# Altium PCB STguitar.PcbDoc (part 1 of 3) (continued)
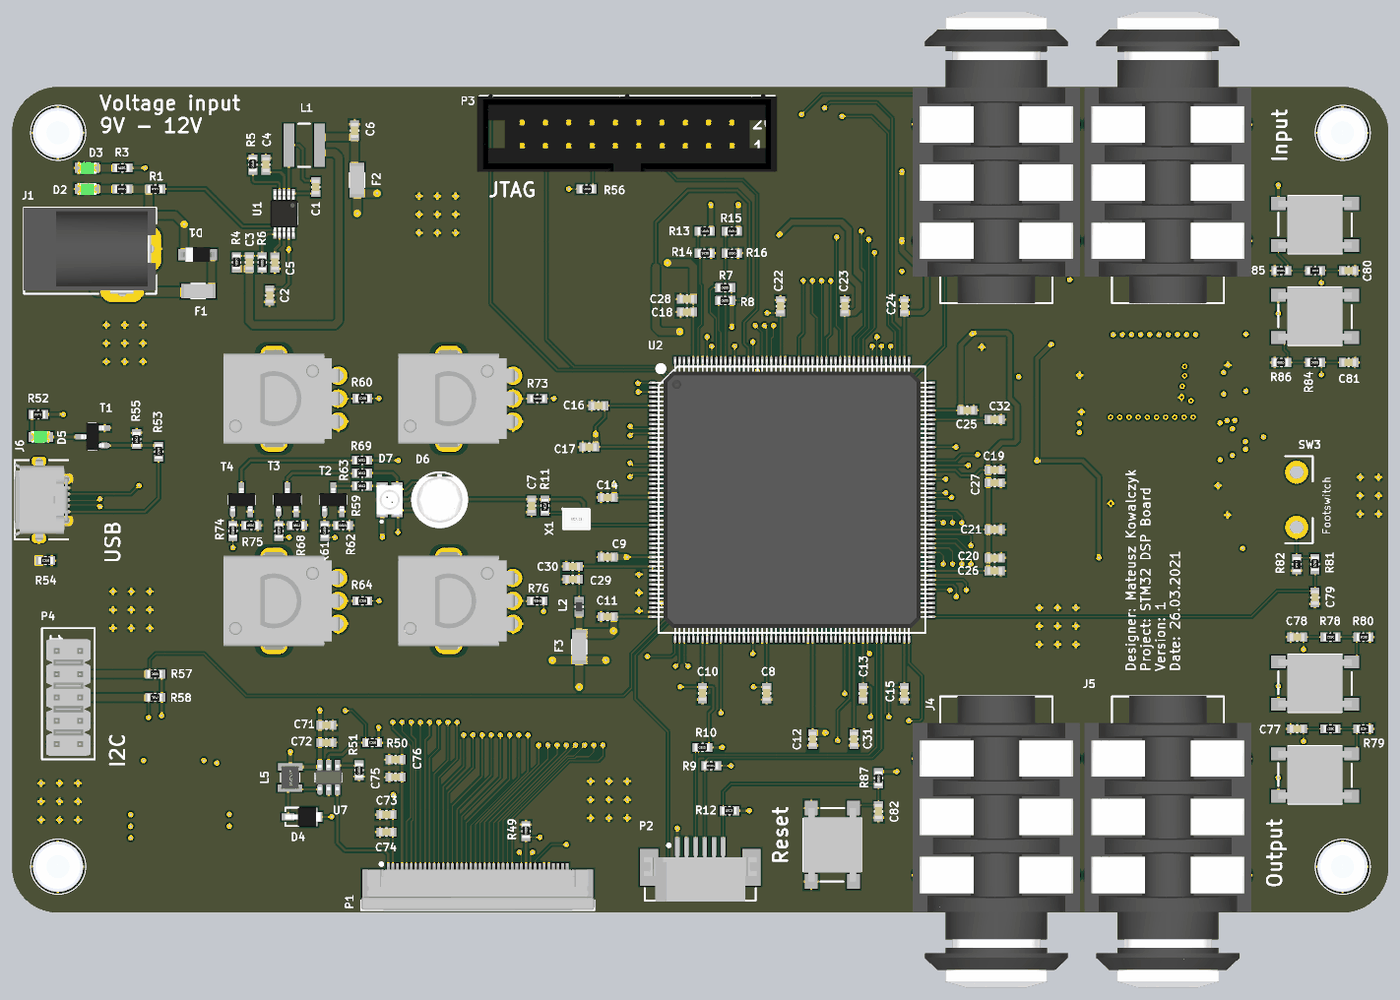
[diagram p6: 3D render of the assembled board from above, using the file's embedded part models]
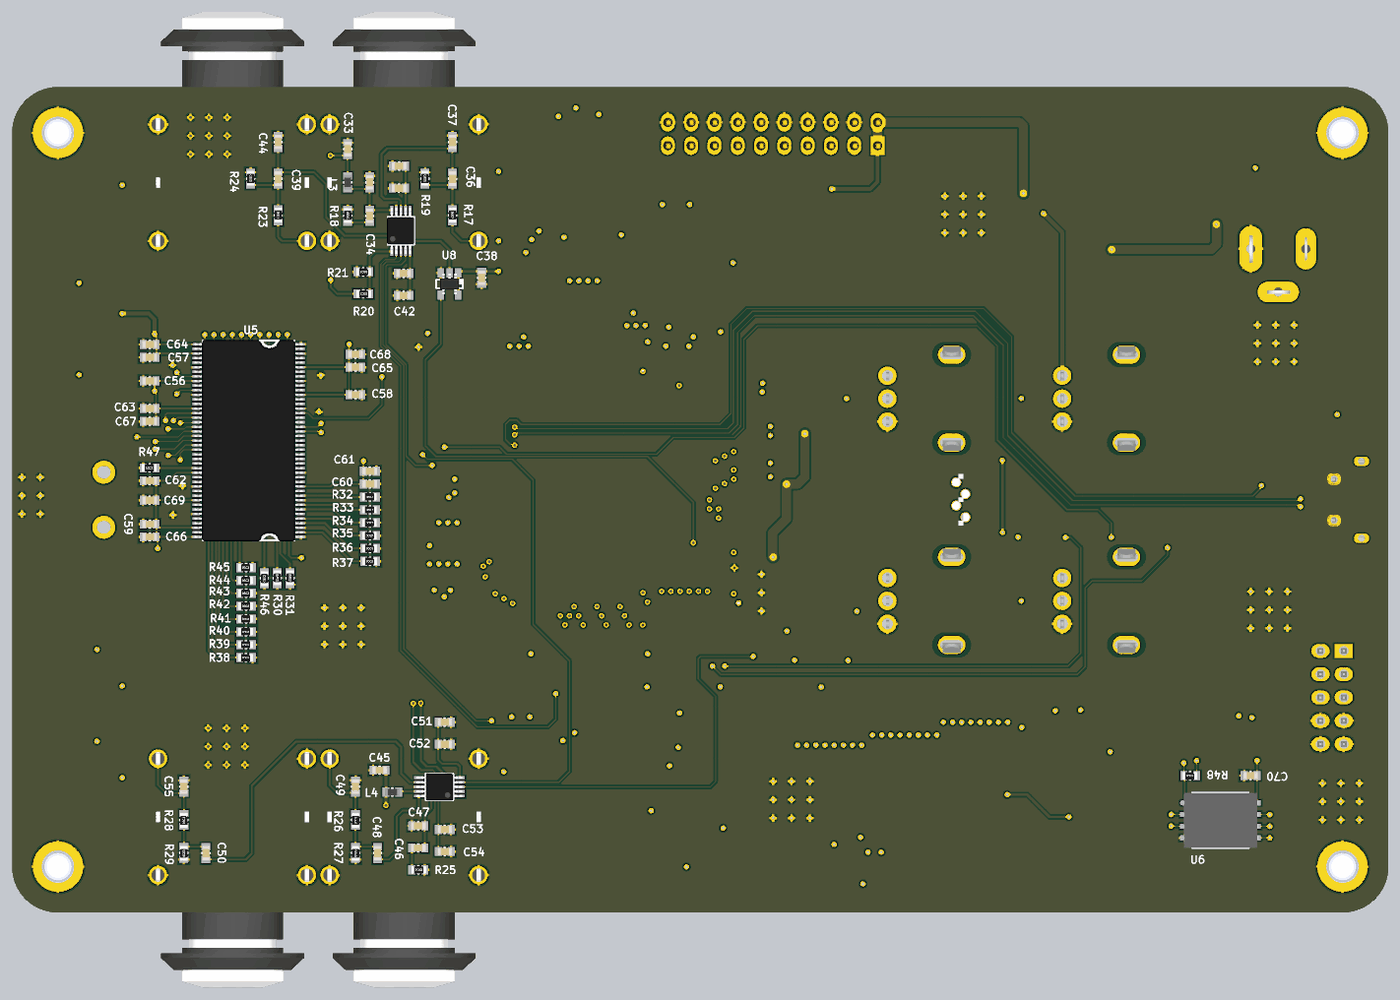
[diagram p7: 3D render of the assembled board from below, using the file's embedded part models]

## Layer stack, top to bottom
Top Solder: solder mask 0.01, Solder Resist, Dk 3.5
Top Layer: signal copper 0.036
Dielectric 2: prepreg 0.071, PP-006, Dk 4.1
Signal 1: signal copper 0.035
Dielectric 4: prepreg 0.071, PP-006, Dk 4.1
Dielectric 1: dielectric 0.32, FR-4, Dk 4.8
Dielectric 5: prepreg 0.071, PP-006, Dk 4.1
Signal 2: signal copper 0.035
Dielectric 3: prepreg 0.071, PP-006, Dk 4.1
Bottom Layer: signal copper 0.036
Bottom Solder: solder mask 0.01, Solder Resist, Dk 3.5

## Board outline
0,5 0,85 cw(c5,85) 5,90 145,90 cw(c145,85) 150,85 150,5 cw(c145,5) 145,0 5,0 cw(c5,5)

## Design rules (kind name [scope] priority, off if disabled: settings)
BoardOutlineClearance [All] p1: gap=0.01 ignorepadtopadclearanceinfootprint=FALSE
Clearance Pads_1 [InNet('No Net')] p1: gap=0.01 ignorepadtopadclearanceinfootprint=FALSE
Clearance Pads [InNet('NetJ6_6')] p2: gap=0.01 ignorepadtopadclearanceinfootprint=FALSE
Clearance [All] p3: gap=0.127 ignorepadtopadclearanceinfootprint=FALSE except(0.2: Arc-Fill Arc-Poly Arc-Region Track-Fill Track-Poly Track-Region SMDPad-Fill SMDPad-Poly SMDPad-Region THPad-Fill THPad-Poly THPad-Region Via-Fill Via-Poly Via-Region Fill-Fill Fill-Poly Fill-Region Poly-Poly Poly-Region Region-Region)
DiffPairsRouting USB [InDifferentialPairClass('USB')] p1: maxlimit=0.35 minlimit=0.15 mostfreqgap=0.35 toplayer_mingap=0.35 toplayer_minwidth=0.127 toplayer_maxwidth=0.127 toplayer_prefwidth=0.127 midlayer1_maxgap=0.15 midlayer1_prefgap=0.15 midlayer1_minwidth=0.18 midlayer1_maxwidth=0.18 midlayer1_prefwidth=0.18 midlayer4_maxgap=0.15 midlayer4_prefgap=0.15 midlayer4_minwidth=0.18 midlayer4_maxwidth=0.18 midlayer4_prefwidth=0.18 bottomlayer_mingap=0.35 bottomlayer_minwidth=0.127 bottomlayer_maxwidth=0.127 bottomlayer_prefwidth=0.127 maxuncoupledlength=0
Height [All] p1: minheight=0 maxheight=100 prefheight=12.7
HoleSize [All] p1: absolutevalues=TRUE maxlimit=6.3 minlimit=0.2 maxpercent=80.000 minpercent=20.000
HoleToHoleClearance [All] p1: gap=0.5 allowstackedmicrovias=TRUE
Length FMC [InNetClass('FMC')] p1: maxlimit=2540 minlimit=0
Length QSPI [InNetClass('QSPI')] p2: maxlimit=150 minlimit=0
MinimumSolderMaskSliver [All] p1: minsoldermaskwidth=0.01
PolygonConnect [All] p1: connectstyle=Relief reliefconductorwidth=0.254 reliefentries=4 polygonreliefangle="90 Angle" airgapwidth=0.254
RoutingVias [All] p1: holewidth=0.3 width=0.6 viastyle="Through Hole" minholewidth=0.2 minwidth=0.4 maxholewidth=6.3 maxwidth=6.3
SilkToSilkClearance [All] p1: silktosilkclearance=0.05
SilkToSolderMaskClearance [IsPad] p1: minsilkscreentomaskgap=0.05 clearancetoexposedcopper=TRUE
SolderMaskExpansion [All] p1: expansion=0.102 istentingtop=FALSE
Width VDD [InNet('VDD')] p1: maxlimit=10 minlimit=0.2 preferedwidth=0.2
Width [All] p2: maxlimit=10 minlimit=0.127 preferedwidth=0.127
23 further rules are at their usual default settings.

## Classes and differential pairs
component class "[0] TOP": MP1 MP2 MP3 MP4
differential pair class USB: USB_FS.D
net class QSPI: QSPI.CLK QSPI.D0 QSPI.D1 QSPI.D2 QSPI.D3 QSPI.NCS
net class POT[1..4]: POT1 POT2 POT3 POT4
net class LCD: LCD.CLK LCD.DE LCD.DISP LCD.HSYNC LCD.VSYNC LCD_B0 LCD_B1 LCD_B2 LCD_B3 LCD_B4 LCD_B5 LCD_B6 LCD_B7 LCD_G0 LCD_G1 LCD_G2 LCD_G3 LCD_G4 LCD_G5 LCD_G6 LCD_G7 LCD_R0 LCD_R1 LCD_R2 LCD_R3 LCD_R4 LCD_R5 LCD_R6 LCD_R7
net class LCD_R[0..7]: LCD_R0 LCD_R1 LCD_R2 LCD_R3 LCD_R4 LCD_R5 LCD_R6 LCD_R7
net class LCD_G[0..7]: LCD_G0 LCD_G1 LCD_G2 LCD_G3 LCD_G4 LCD_G5 LCD_G6 LCD_G7
net class LCD_B[0..7]: LCD_B0 LCD_B1 LCD_B2 LCD_B3 LCD_B4 LCD_B5 LCD_B6 LCD_B7
net class JTAG: JTAG.TCLK JTAG.TDI JTAG.TDO JTAG.TMS JTAG.TRST
net class FMC_NBL[0..1]: FMC_NBL0 FMC_NBL1
net class FMC: FMC_A0 FMC_A1 FMC_A2 FMC_A3 FMC_A4 FMC_A5 FMC_A6 FMC_A7 FMC_A8 FMC_A9 FMC_A10 FMC_A11 FMC_BA0 FMC_BA1 FMC_D0 FMC_D1 FMC_D2 FMC_D3 FMC_D4 FMC_D5 FMC_D6 FMC_D7 FMC_D8 FMC_D9 FMC_D10 FMC_D11 FMC_D12 FMC_D13 FMC_D14 FMC_D15 FMC_NBL0 FMC_NBL1 FMC_SDN.CAS FMC_SDN.CKE FMC_SDN.CLK FMC_SDN.CS FMC_SDN.RAS FMC_SDN.WE
net class FMC_D[0..15]: FMC_D0 FMC_D1 FMC_D2 FMC_D3 FMC_D4 FMC_D5 FMC_D6 FMC_D7 FMC_D8 FMC_D9 FMC_D10 FMC_D11 FMC_D12 FMC_D13 FMC_D14 FMC_D15
net class FMC_BA[0..1]: FMC_BA0 FMC_BA1
net class FMC_A[0..11]: FMC_A0 FMC_A1 FMC_A2 FMC_A3 FMC_A4 FMC_A5 FMC_A6 FMC_A7 FMC_A8 FMC_A9 FMC_A10 FMC_A11
net class BUTTON[1..4]: BUTTON1 BUTTON2 BUTTON3 BUTTON4
component class USB: D5 J6 R52 R53 R54 R55 T1
component class SDRAM: C56 C57 C58 C59 C60 C61 C62 C63 C64 C65 C66 C67 C68 C69 R30 R31 R32 R33 R34 R35 R36 R37 R38 R39 R40 R41 R42 R43 R44 R45 R46 R47 U5
component class QSPI: C70 R48 U6
component class PSU: C1 C2 C3 C4 C5 C6 D1 D2 D3 F1 F2 J1 L1 mmm R1 R2 R3 R4 R5 R6 U1
component class MCU: C7 C8 C9 C10 C11 C12 C13 C14 C15 C16 C17 C18 C19 C20 C21 C22 C23 C24 C25 C26 C27 C28 C29 C30 C31 C32 F3 L2 R7 R8 R9 R10 R11 R12 R13 R14 R15 R16 U2 X1
component class LCD: C71 C72 C73 C74 C75 C76 D4 L5 P1 P2 R49 R50 R51 U7
component class EXTRAS: D6 D7 P3 P4 R56 R57 R58 R59 R60 R61 R62 R63 R64 R67 R68 R69 R73 R74 R75 R76 RT1 RT2 RT3 RT4 T2 T3 T4
component class DAC: C45 C46 C47 C48 C49 C50 C51 C52 C53 C54 C55 J4 J5 L4 R25 R26 R27 R28 R29 U4
component class BUTTONS: C77 C78 C79 C80 C81 C82 R77 R78 R79 R80 R81 R82 R83 R84 R85 R86 R87 SW1 SW2 SW3 SW4 SW5 SW6
component class ADC: C33 C34 C35 C36 C37 C38 C39 C40 C41 C42 C43 C44 J2 J3 L3 R17 R18 R19 R20 R21 R23 R24 U3
differential pair USB_FS.D: +USB_FS.D_P -USB_FS.D_N

## Components (designator, comment, footprint, x,y, rotation, side; value= is the part's Value field where it differs from the comment)
C1 "100n" "CAPACITOR 0603" 33.1,79.1 r90 top
C2 "22u" "CAPACITOR 0603" 28.075,67.275 r90 top
C3 "10p" "CAPACITOR 0603" 25.85,70.875 r270 top
C4 "1u" "CAPACITOR 0603" 27.65,81.525 r270 top
C5 "10n" "CAPACITOR 0603" 28.65,70.85 r90 top
C6 "22u" "CAPACITOR 0603" 37.325,85.25 r270 top
C7 "100n" "CAPACITOR 0603" 56.625,44.35 r90 top
C8 "100n" "CAPACITOR 0603" 82.25,23.9 r90 top
C9 "100n" "CAPACITOR 0603" 64.9,38.75 r0 top
C10 "100n" "CAPACITOR 0603" 75.25,23.9 r90 top
C11 "100n" "CAPACITOR 0603" 64.9,32.25 r0 top
C12 "100n" "CAPACITOR 0603" 87.25,18.9 r90 top
C13 "100n" "CAPACITOR 0603" 92.75,23.9 r90 top
C14 "100n" "CAPACITOR 0603" 64.9,45.25 r0 top
C15 "100n" "CAPACITOR 0603" 97.25,23.9 r90 top
C16 "100n" "CAPACITOR 0603" 63.9,55.25 r0 top
C17 "100n" "CAPACITOR 0603" 62.9,50.75 r0 top
C18 "100n" "CAPACITOR 0603" 73.55,65.475 r0 top
C19 "100n" "CAPACITOR 0603" 107.1,48.25 r180 top
C20 "100n" "CAPACITOR 0603" 107.1,38.65 r180 top
C21 "100n" "CAPACITOR 0603" 107.1,41.75 r180 top
C22 "100n" "CAPACITOR 0603" 83.75,66.1 r270 top
C23 "100n" "CAPACITOR 0603" 90.75,66.1 r270 top
C24 "100n" "CAPACITOR 0603" 97.25,66.1 r270 top
C25 "4.7u" "CAPACITOR 0603" 104.1,54.75 r180 top
C26 "4.7u" "CAPACITOR 0603" 107.1,37.25 r180 top
C27 "4.7u" "CAPACITOR 0603" 107.1,46.85 r180 top
C28 "4.7u" "CAPACITOR 0603" 73.55,66.875 r0 top
C29 "100n" "CAPACITOR 0603" 61.1,36.325 r0 top
C30 "1u" "CAPACITOR 0603" 61.1,37.725 r0 top
C31 "2.2u" "CAPACITOR 0603" 91.75,18.9 r90 top
C32 "2.2u" "CAPACITOR 0603" 107.1,53.75 r180 top
C33 "100n" "CAPACITOR 0603" 113.425,83.225 r270 bottom
C34 "4.7u" "CAPACITOR 0603" 111.025,75.95 r90 bottom
C35 "100n" "CAPACITOR 0603" 111.025,79.6 r270 bottom
C36 "1u" "CAPACITOR 0603" 102,80 r270 bottom
C37 "220p" "CAPACITOR 0603" 102,84 r270 bottom
C38 "100n" "CAPACITOR 0603" 98.825,69.2 r90 bottom
C39 "1u" "CAPACITOR 0603" 121,80 r270 bottom
C40 "100n" "CAPACITOR 0603" 107.825,81.375 r180 bottom
C41 "1u" "CAPACITOR 0603" 107.825,78.975 r180 bottom
C42 "1u" "CAPACITOR 0603" 107.325,67.275 r180 bottom
C43 "100n" "CAPACITOR 0603" 107.325,69.675 r180 bottom
C44 "220p" "CAPACITOR 0603" 121,84 r270 bottom
C45 "100n" "CAPACITOR 0603" 109.95,15.525 r180 bottom
C46 "4.7u" "CAPACITOR 0603" 105.725,7.05 r180 bottom
C47 "100n" "CAPACITOR 0603" 105.725,9.45 r180 bottom
C48 "2.2u" "CAPACITOR 0603" 110.175,6.475 r90 bottom
C49 "2.7n" "CAPACITOR 0603" 112.575,13.725 r270 bottom
C50 "2.2u" "CAPACITOR 0603" 128.875,6.475 r90 bottom
C51 "100n" "CAPACITOR 0603" 102.85,20.75 r0 bottom
C52 "1u" "CAPACITOR 0603" 102.85,18.35 r0 bottom
C53 "1u" "CAPACITOR 0603" 102.85,9.05 r0 bottom
C54 "100n" "CAPACITOR 0603" 102.85,6.65 r0 bottom
C55 "2.7n" "CAPACITOR 0603" 131.275,13.725 r270 bottom
C56 "100n" "CAPACITOR 0603" 135,57.95 r180 bottom
C57 "100n" "CAPACITOR 0603" 135,60.525 r180 bottom
C58 "100n" "CAPACITOR 0603" 112.575,56.45 r0 bottom
C59 "100n" "CAPACITOR 0603" 135,42.35 r180 bottom
C60 "100n" "CAPACITOR 0603" 111.01,46.715 r0 bottom
C61 "100n" "CAPACITOR 0603" 111.01,48.115 r0 bottom
C62 "100n" "CAPACITOR 0603" 135,47.075 r180 bottom
C63 "100n" "CAPACITOR 0603" 135,54.95 r180 bottom
C64 "100n" "CAPACITOR 0603" 135,61.925 r180 bottom
C65 "100n" "CAPACITOR 0603" 112.575,59.45 r0 bottom
C66 "100n" "CAPACITOR 0603" 135,40.95 r180 bottom
C67 "100n" "CAPACITOR 0603" 135,53.55 r180 bottom
C68 "100n" "CAPACITOR 0603" 112.575,60.85 r0 bottom
C69 "100n" "CAPACITOR 0603" 135,44.95 r180 bottom
C70 "100n" "CAPACITOR 0603" 15.025,14.925 r180 bottom
C71 "100n" "CAPACITOR 0603" 34.25,20.425 r180 top
C72 "4.7u" "CAPACITOR 0603" 34.25,18.525 r180 top
C73 "100n" "CAPACITOR 0603" 40.8,10.675 r0 top
C74 "4.7u" "CAPACITOR 0603" 40.8,8.775 r0 top
C75 "4.7u" "CAPACITOR 0603" 41.8,14.775 r0 top
C76 "100n" "CAPACITOR 0603" 41.8,16.675 r0 top
C77 "100n" "CAPACITOR 0603" 140.05,20.025 r0 top
C78 "100n" "CAPACITOR 0603" 140.05,30.025 r0 top
C79 "100n" "CAPACITOR 0603" 142,34.35 r90 top
C80 "100n" "CAPACITOR 0603" 145.675,69.975 r180 top
C81 "100n" "CAPACITOR 0603" 145.675,59.975 r180 top
C82 "100n" "CAPACITOR 0603" 94.425,11.025 r90 top
D1 "MBR230LSFT1G" "DIODE SOD123F" 20.225,71.725 r180 top
D2 "Green" "LED 0805 GREEN" 8.175,78.875 r0 top
D3 "Green" "LED 0805 GREEN" 8.175,81.175 r0 top
D4 "STPS1L40M" DO216-AA 31.8,10.425 r180 top
D5 "Green" "LED 0805 GREEN" 3.125,51.85 r180 top
D6 "Tricolor" "LED RGB THT" 46.6,45 r0 top
D7 "Tricolor" PLCC-4 41.15,45 r270 top
F1 "1A" "FUSE 1206" 20.3,67.75 r180 top
F2 "1A" "FUSE 1206" 37.6,79.85 r90 top
F3 "1A" "FUSE 1206" 61.8,28.95 r90 top
J1 "PJ-002A" "MECHANICAL CUI_PJ-002A" 12,70 r180 top
J2 "NMJ4HCD2" "MECHANICAL NMJ4HCD2" 107.271,89.924 r90 top
J3 "NMJ4HCD2" "MECHANICAL NMJ4HCD2" 125.976,89.924 r90 top
J4 "NMJ4HCD2" "MECHANICAL NMJ4HCD2" 107.271,0.08 r270 top
J5 "NMJ4HCD2" "MECHANICAL NMJ4HCD2" 125.976,0.08 r270 top
J6 "USB" "MECHANICAL MICROUSB 47590-0001" 3.409,45 r90 top
L1 "2.2u" "INDUCTOR XAL50XX" 31.825,83.65 r0 top
L2 "600R" "INDUCTOR 0603" 61.8,33.325 r270 top
L3 "600R" "INDUCTOR 0603" 113.425,79.6 r270 bottom
L4 "600R" "INDUCTOR 0603" 108.55,13.125 r180 bottom
L5 "6.8u" "INDUCTOR ASPI" 30.3,14.725 r270 top
MP1 "M3" "MECHANICAL SCREW M3" 145,85 r0 top
MP2 "M3" "MECHANICAL SCREW M3" 145,5 r0 top
MP3 "M3" "MECHANICAL SCREW M3" 5,85 r0 top
MP4 "M3" "MECHANICAL SCREW M3" 5,5 r0 top
P1 "4-1734592-0" "MECHANICAL FFC 0.5MM 40PIN" 50.75,4 r0 top locked
P2 "52793-0670" "MECHANICAL FFC 1MM 6 PIN" 75,6 r0 top locked
P3 "TST-110-01-G-D" "20 PIN 2.54MM MALE THT JTAG" 67,85 r90 top
P4 "10129381-910001BLF" "10 PIN THT" 6.26,23.445 r0 top
R1 "10k" "RESISTOR 0603" 15.625,78.875 r0 top
R2 "2.7k" "RESISTOR 0603" 12.025,78.875 r0 top
R3 "620R" "RESISTOR 0603" 12.025,81.175 r0 top
R4 "1Meg" "RESISTOR 0603" 24.45,70.875 r270 top
R5 "18.2k" "RESISTOR 0603" 26.25,81.525 r270 top
R6 "309k" "RESISTOR 0603" 27.25,70.875 r90 top
R7 "2.7k" "RESISTOR 0603" 77.725,68.125 r0 top
R8 "2.7k" "RESISTOR 0603" 77.725,66.725 r0 top
R9 "2.7k" "RESISTOR 0603" 76.2,16 r0 top
R10 "2.7k" "RESISTOR 0603" 75.25,18 r0 top
R11 "10k" "RESISTOR 0603" 58.075,44.35 r90 top
R12 "10k" "RESISTOR 0603" 78.2,11.1 r0 top
R13 "10k" "RESISTOR 0603" 75.475,74.275 r180 top
R14 "10k" "RESISTOR 0603" 75.475,71.875 r180 top
R15 "10k" "RESISTOR 0603" 78.45,74.275 r180 top
R16 "10k" "RESISTOR 0603" 78.45,71.875 r180 top
R17 "5.1k" "RESISTOR 0603" 102,76 r270 bottom
R18 "1R" "RESISTOR 0603" 113.425,75.95 r270 bottom
R19 "5.1k" "RESISTOR 0603" 105,80 r270 bottom
R20 "10k" "RESISTOR 0603" 111.725,67.45 r0 bottom
R21 "10k" "RESISTOR 0603" 111.725,69.85 r0 bottom
R23 "5.1k" "RESISTOR 0603" 121,76 r270 bottom
R24 "5.1k" "RESISTOR 0603" 124,80 r270 bottom
R25 "1R" "RESISTOR 0603" 105.725,4.65 r0 bottom
R26 "470R" "RESISTOR 0603" 112.575,10.1 r90 bottom
R27 "10k" "RESISTOR 0603" 112.575,6.5 r90 bottom
R28 "470R" "RESISTOR 0603" 131.275,10.1 r90 bottom
R29 "10k" "RESISTOR 0603" 131.275,6.5 r90 bottom
R30 "10k" "RESISTOR 0603" 121.1,36.45 r270 bottom
R31 "10k" "RESISTOR 0603" 119.7,36.45 r270 bottom
R32 "10k" "RESISTOR 0603" 111,45.3 r180 bottom
R33 "10k" "RESISTOR 0603" 111,43.9 r180 bottom
R34 "10k" "RESISTOR 0603" 111,42.5 r180 bottom
R35 "10k" "RESISTOR 0603" 111,41.1 r180 bottom
R36 "10k" "RESISTOR 0603" 110.975,39.7 r180 bottom
R37 "10k" "RESISTOR 0603" 110.975,38.3 r180 bottom
R38 "10k" "RESISTOR 0603" 124.5,27.8 r180 bottom
R39 "10k" "RESISTOR 0603" 124.5,29.2 r180 bottom
R40 "10k" "RESISTOR 0603" 124.5,30.6 r180 bottom
R41 "10k" "RESISTOR 0603" 124.5,32 r180 bottom
R42 "10k" "RESISTOR 0603" 124.5,33.4 r180 bottom
R43 "10k" "RESISTOR 0603" 124.5,34.8 r180 bottom
R44 "10k" "RESISTOR 0603" 124.5,36.2 r180 bottom
R45 "10k" "RESISTOR 0603" 124.5,37.6 r180 bottom
R46 "10k" "RESISTOR 0603" 122.5,36.45 r90 bottom
R47 "10k" "RESISTOR 0603" 135,48.475 r180 bottom
R48 "10k" "RESISTOR 0603" 21.6,14.925 r180 bottom
R49 "5.1k" "RESISTOR 0603" 56,8.875 r270 top
R50 "5.1k" "RESISTOR 0603" 39.25,18.525 r180 top
R51 "620R" "RESISTOR 0603" 37.825,15.525 r90 top
R52 "220R" "RESISTOR 0603" 2.875,54.3 r0 top
R53 "47k" "RESISTOR 0603" 15.975,50.225 r270 top
R54 "1R" "RESISTOR 0603" 3.625,38.375 r180 top
R55 "100k" "RESISTOR 0603" 13.575,51.625 r90 top
R56 "10k" "RESISTOR 0603" 62.6,78.875 r180 top
R57 "5.1k" "RESISTOR 0603" 15.6,26 r0 top
R58 "5.1k" "RESISTOR 0603" 15.6,23.45 r0 top
R59 "220R" "RESISTOR 0603" 38.15,46.5 r0 top
R60 "100k" "RESISTOR 0603" 38.175,56.05 r180 top
R61 "47k" "RESISTOR 0603" 34.075,41.6 r270 top
R62 "100k" "RESISTOR 0603" 36.075,42.2 r0 top
R63 "220R" "RESISTOR 0603" 38.15,47.9 r0 top
R64 "100k" "RESISTOR 0603" 38.175,33.975 r180 top
R67 "47k" "RESISTOR 0603" 29.075,41.6 r270 top
R68 "100k" "RESISTOR 0603" 31.075,42.2 r0 top
R69 "220R" "RESISTOR 0603" 38.15,49.3 r0 top
R73 "100k" "RESISTOR 0603" 57.225,56.025 r180 top
R74 "47k" "RESISTOR 0603" 24.075,41.6 r270 top
R75 "100k" "RESISTOR 0603" 26.075,42.2 r0 top
R76 "100k" "RESISTOR 0603" 57.225,33.975 r180 top
R77 "10k" "RESISTOR 0603" 143.675,20.025 r180 top
R78 "10k" "RESISTOR 0603" 143.675,30.025 r180 top
R79 "10k" "RESISTOR 0603" 147.275,20.025 r180 top
R80 "10k" "RESISTOR 0603" 147.275,30.025 r180 top
R81 "10k" "RESISTOR 0603" 142,37.975 r270 top
R82 "10k" "RESISTOR 0603" 140,37.975 r90 top
R83 "10k" "RESISTOR 0603" 142,69.975 r0 top
R84 "10k" "RESISTOR 0603" 142,59.975 r0 top
R85 "10k" "RESISTOR 0603" 138.325,69.975 r0 top
R86 "10k" "RESISTOR 0603" 138.325,59.975 r0 top
R87 "10k" "RESISTOR 0603" 94.425,14.65 r90 top
RT1 "50k" PTV9 28.55,56.025 r90 top
RT2 "50k" PTV9 28.55,33.975 r90 top
RT3 "50k" PTV9 47.6,56.025 r90 top
RT4 "50k" PTV9 47.6,33.975 r90 top
SW1 "B3FS-1012P" "MECHANICAL TACITILE 6X6" 142,15 r180 top
SW2 "B3FS-1012P" "MECHANICAL TACITILE 6X6" 142,25 r180 top
SW3 "SPST" "MECHANICAL FOOTSWITCH SPST" 140,45 r90 top
SW4 "B3FS-1012P" "MECHANICAL TACITILE 6X6" 142,75 r0 top
SW5 "B3FS-1012P" "MECHANICAL TACITILE 6X6" 142,65 r0 top
SW6 "B3FS-1012P" "MECHANICAL TACITILE 6X6" 89.396,7.385 r270 top
T1 "BSR14" SOT23-3 8.775,51.875 r180 top
T2 "BSR14" SOT23-3 35,45 r90 top
T3 "BSR14" SOT23-3 30,45 r90 top
T4 "BSR14" SOT23-3 25,45 r90 top
U1 "LT8609AEMSE#PBF" MSOP-10 29.65,76.175 r270 top
U2 "STM32F746BGT6" TQFP208 85,45 r0 top
U3 "CS5343-CZZR" TSSOP10 107.625,74.325 r180 bottom
U4 "CS4344-DZZ" TSSOP10 103.425,13.7 r90 bottom
U5 "IS42S32400F-7TLI-TR" TSOP86 124.225,51.45 r180 bottom
U6 "MT25QL128ABA1EW9-0SIT TR" WDFN8 18.3,10.05 r180 bottom
U7 "LT1932ES6#TRMPBF" SOT23-6 34.5,14.725 r90 top
U8 "NC7SZ126" SC70-5 102.325,68.525 r0 bottom
X1 "25MHz" "CRYSTAL 25MHZ" 61.5,42.9 r0 top

## Footprints (in the part's own frame and the unit in brackets; to place one, negate y for a bottom-side part, rotate by r counter-clockwise, add the part's x,y. Pads: shape width x height; smd on the part's side, far side on the other; paste and mask are expansions set on the pad)
"10 PIN THT" [mm]
  rect 2x1.5 hole 1.02: 1(-1.4,5.08)
  oval 2x1.5 hole 1.02: 2(1.14,5.08) 3(-1.4,2.54) 4(1.14,2.54) 5(-1.4,0) 6(1.14,0) 7(-1.4,-2.54) 8(1.14,-2.54) 9(-1.4,-5.08) 10(1.14,-5.08)
  silkscreen extent -3,-6.75 2.75,7.55, body extent -2.54,-6.35 2.29,6.35, height 8.18
"20 PIN 2.54MM MALE THT JTAG" [mm]
  rect 2x1.5 hole 1.02: 1(-1.4,11.325)
  oval 2x1.5 hole 1.02: 2(1.14,11.325) 3(-1.4,8.785) 4(1.14,8.785) 5(-1.4,6.245) 6(1.14,6.245) 7(-1.4,3.705) 8(1.14,3.705) 9(-1.4,1.165) 10(1.14,1.165) 11(-1.4,-1.375) 12(1.14,-1.375) 13(-1.4,-3.915) 14(1.14,-3.915) 15(-1.4,-6.455) 16(1.14,-6.455) 17(-1.4,-8.995) 18(1.14,-8.995) 19(-1.4,-11.535) 20(1.14,-11.535)
  silkscreen extent -4.03,-16.1 4.03,16.07, body extent -4.25,-16.37 4.25,16.33, height 8.5
"CAPACITOR 0603" [mm]
  rect 0.78x0.98 smd: 1(-0.7,0) 2(0.7,0)
  silkscreen extent -0.05,-0.4 0.05,0.4, body extent -0.8,-0.4 0.8,0.4, height 0.8
"CRYSTAL 25MHZ" [mm]
  rrect70% 0.7x0.8 smd: 1(-0.825,0.625)
  rect 0.7x0.8 smd: 2(-0.825,-0.625) 3(0.825,-0.625) 4(0.825,0.625)
  silkscreen extent -1.55,0.98 -1.35,1.17, body extent -1.6,-1.25 1.6,1.25, height 0.78
"DIODE SOD123F" [mm]
  rect 1.25x1.22 smd: 1(-1.475,0) 2(1.475,0)
  silkscreen extent -0.65,-0.6 0.65,0.6, body extent -1.85,-0.8 1.85,0.8, height 1.32
DO216-AA [mm]
  rect 1.38x0.75 smd: 1(1.723,0)
  rect 0.5x1.1 smd: 2(-1.75,0)
  rect 1.85x2.03 smd: 2(-0.587,0)
  silkscreen extent 0.6,-1 2.03,1, body extent -1.82,-1 2.03,1, height 1.01
"FUSE 1206" [mm]
  rect 0.9x1.6 smd: 1(1.45,0) 2(-1.45,0)
  silkscreen extent -0.75,-0.8 0.75,0.8, body extent -1.55,-0.77 1.55,0.78, height 0.59
"INDUCTOR 0603" [mm]
  rect 0.78x0.98 smd: 1(-0.7,0) 2(0.7,0)
  silkscreen extent -0.05,-0.4 0.05,0.4, body extent -0.8,-0.4 0.8,0.4, height 0.8
"INDUCTOR ASPI" [mm]
  rect 0.8x2.7 smd: 1(-1.15,0.025) 2(1.15,0)
  silkscreen extent -0.45,-1 0.45,1, body extent -1.25,-1 1.25,1, height 1.5
"INDUCTOR XAL50XX" [mm]
  rect 1.18x4.7 smd: 1(-1.655,0) 2(1.655,0)
  silkscreen extent -0.65,-2.35 0.65,2.35, body extent -2.67,-2.73 2.63,2.75, height 3.1
"LED 0805 GREEN" [mm]
  rect 0.8x1.1 smd: 1(-0.95,0) 2(0.95,0)
  silkscreen extent -0.3,-0.55 -0.3,0.55, body extent -1,-0.63 1,0.62, height 1.09
"LED RGB THT" [mm]
  round 1.1 hole 0.9: 1(-0.5,-1.905) 2(0.5,-0.635) 3(-0.5,0.635) 4(0.5,1.905)
  silkscreen extent -3,-3 3,3, body extent -2.95,-2.95 2.95,2.79, height 11.61
"MECHANICAL CUI_PJ-002A" [mm]
  oval 2.5x5 hole 1 square: 1(-3,-2.35)
  oval 2.25x4.5 hole 1 square: 2(3,-2.35)
  oval 4.5x2.25 hole 1 square: 3(0,2.35)
  silkscreen extent -3.7,-6.85 10.7,2.55, body extent -3.67,-6.85 10.73,2.55, height 11
"MECHANICAL FFC 0.5MM 40PIN" [mm]
  rect 0.3x1.1 smd: 1(-9.75,0.85) 2(-9.25,0.85) 3(-8.75,0.85) 4(-8.25,0.85) 5(-7.75,0.85) 6(-7.25,0.85) 7(-6.75,0.85) 8(-6.25,0.85) 9(-5.75,0.85) 10(-5.25,0.85) 11(-4.75,0.85) 12(-4.25,0.85) 13(-3.75,0.85) 14(-3.25,0.85) 15(-2.75,0.85) 16(-2.25,0.85) 17(-1.75,0.85) 18(-1.25,0.85) 19(-0.75,0.85) 20(-0.25,0.85) 21(0.25,0.85) 22(0.75,0.85) 23(1.25,0.85) 24(1.75,0.85) 25(2.25,0.85) 26(2.75,0.85) 27(3.25,0.85) 28(3.75,0.85) 29(4.25,0.85) 30(4.75,0.85) 31(5.25,0.85) 32(5.75,0.85) 33(6.25,0.85) 34(6.75,0.85) 35(7.25,0.85) 36(7.75,0.85) 37(8.25,0.85) 38(8.75,0.85) 39(9.25,0.85) 40(9.75,0.85)